# Altium PCB MAIN_BOARD.PcbDoc (part 1 of 4) (continued)
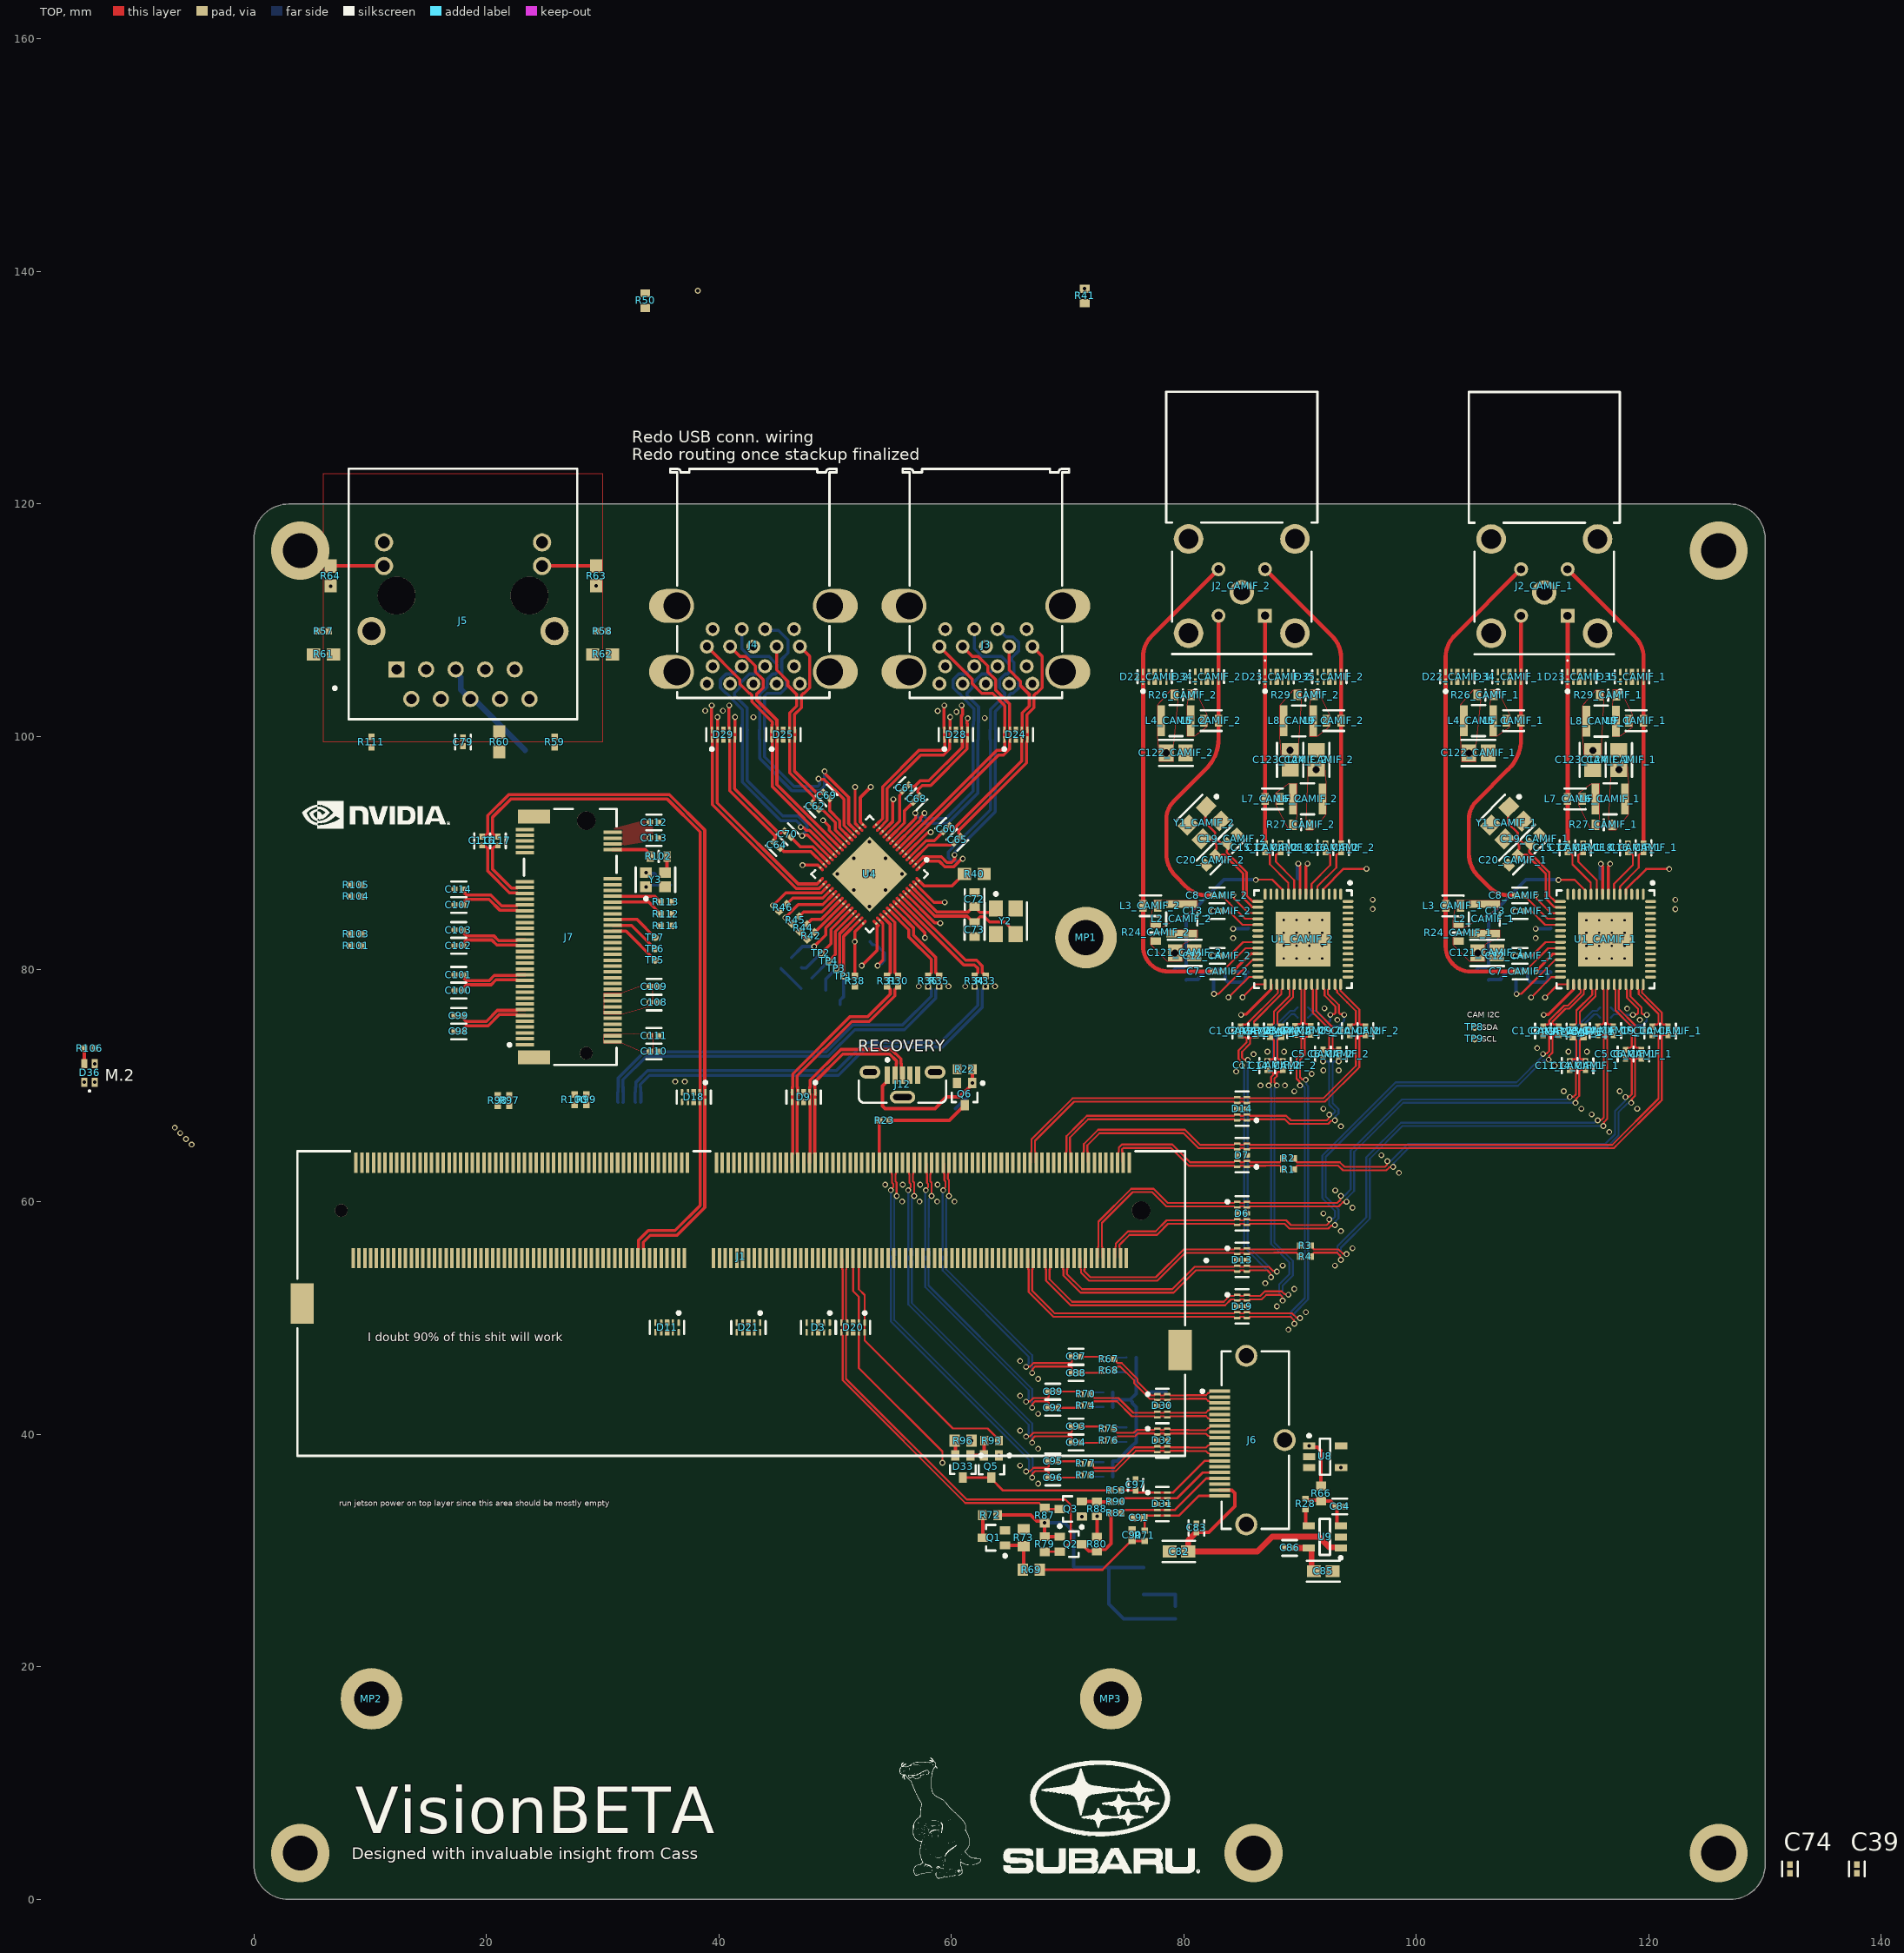
[diagram p0: TOP view]
## Components (designator, comment, footprint, x,y, rotation, side; value= is the part's Value field where it differs from the comment)
C1_CAMIF_1 "C1005X7R1H104K050BB" FP-C1005-050-0_05-IPC_C 110.894,74.689 r90 top (schematic designator C1)
C1_CAMIF_2 "C1005X7R1H104K050BB" FP-C1005-050-0_05-IPC_C 84.87,74.697 r90 top (schematic designator C1)
C2_CAMIF_1 "C1005X7R1H104K050BB" FP-C1005-050-0_05-IPC_C 112.244,74.689 r90 top (schematic designator C2)
C2_CAMIF_2 "C1005X7R1H104K050BB" FP-C1005-050-0_05-IPC_C 86.22,74.697 r90 top (schematic designator C2)
C3_CAMIF_1 "C1005X7R1H104K050BB" FP-C1005-050-0_05-IPC_C 115.594,74.714 r90 top (schematic designator C3)
C3_CAMIF_2 "C1005X7R1H104K050BB" FP-C1005-050-0_05-IPC_C 89.57,74.722 r90 top (schematic designator C3)
C4_CAMIF_1 "C1005X7R1H104K050BB" FP-C1005-050-0_05-IPC_C 116.944,74.714 r90 top (schematic designator C4)
C4_CAMIF_2 "C1005X7R1H104K050BB" FP-C1005-050-0_05-IPC_C 90.92,74.722 r90 top (schematic designator C4)
C5_CAMIF_1 "C1005X7R1H104K050BB" FP-C1005-050-0_05-IPC_C 117.994,72.695 r90 top (schematic designator C5)
C5_CAMIF_2 "C1005X7R1H104K050BB" FP-C1005-050-0_05-IPC_C 91.97,72.703 r90 top (schematic designator C5)
C6_CAMIF_1 "C1005X7R1H104K050BB" FP-C1005-050-0_05-IPC_C 119.344,72.695 r90 top (schematic designator C6)
C6_CAMIF_2 "C1005X7R1H104K050BB" FP-C1005-050-0_05-IPC_C 93.32,72.703 r90 top (schematic designator C6)
C7_CAMIF_1 "C1005X7R1H104K050BB" FP-C1005-050-0_05-IPC_C 108.927,79.792 r180 top (schematic designator C7)
C7_CAMIF_2 "C1005X7R1H104K050BB" FP-C1005-050-0_05-IPC_C 82.903,79.8 r180 top (schematic designator C7)
C8_CAMIF_1 "C1005X7R1H104K050BB" FP-C1005-050-0_05-IPC_C 108.877,86.342 r180 top (schematic designator C8)
C8_CAMIF_2 "C1005X7R1H104K050BB" FP-C1005-050-0_05-IPC_C 82.853,86.35 r180 top (schematic designator C8)
C9_CAMIF_1 "C1005X7R1H104K050BB" FP-C1005-050-0_05-IPC_C 120.294,74.689 r90 top (schematic designator C9)
C9_CAMIF_2 "C1005X7R1H104K050BB" FP-C1005-050-0_05-IPC_C 94.27,74.697 r90 top (schematic designator C9)
C10_CAMIF_1 "C1005X7R1H104K050BB" FP-C1005-050-0_05-IPC_C 121.644,74.689 r90 top (schematic designator C10)
C10_CAMIF_2 "C1005X7R1H104K050BB" FP-C1005-050-0_05-IPC_C 95.62,74.697 r90 top (schematic designator C10)
C11_CAMIF_1 "C1005X7R1H104K050BB" FP-C1005-050-0_05-IPC_C 113.194,71.704 r90 top (schematic designator C11)
C11_CAMIF_2 "C1005X7R1H104K050BB" FP-C1005-050-0_05-IPC_C 87.17,71.712 r90 top (schematic designator C11)
C12_CAMIF_1 "C1005X7R1H104K050BB" FP-C1005-050-0_05-IPC_C 108.902,81.142 r180 top (schematic designator C12)
C12_CAMIF_2 "C1005X7R1H104K050BB" FP-C1005-050-0_05-IPC_C 82.878,81.15 r180 top (schematic designator C12)
C13_CAMIF_1 "C1005X7R1H104K050BB" FP-C1005-050-0_05-IPC_C 108.902,84.992 r180 top (schematic designator C13)
C13_CAMIF_2 "C1005X7R1H104K050BB" FP-C1005-050-0_05-IPC_C 82.878,85 r180 top (schematic designator C13)
C14_CAMIF_1 "C1005X7R1H104K050BB" FP-C1005-050-0_05-IPC_C 114.544,71.695 r90 top (schematic designator C14)
C14_CAMIF_2 "C1005X7R1H104K050BB" FP-C1005-050-0_05-IPC_C 88.52,71.703 r90 top (schematic designator C14)
C15_CAMIF_1 "C1005X7R1H104K050BB" FP-C1005-050-0_05-IPC_C 113.008,90.439 r90 top (schematic designator C15)
C15_CAMIF_2 "C1005X7R1H104K050BB" FP-C1005-050-0_05-IPC_C 86.983,90.447 r90 top (schematic designator C15)
C16_CAMIF_1 "C1005X7R1H104K050BB" FP-C1005-050-0_05-IPC_C 119.544,90.439 r90 top (schematic designator C16)
C16_CAMIF_2 "C1005X7R1H104K050BB" FP-C1005-050-0_05-IPC_C 93.52,90.447 r90 top (schematic designator C16)
C17_CAMIF_1 "C1005X7R1H104K050BB" FP-C1005-050-0_05-IPC_C 114.351,90.439 r90 top (schematic designator C17)
C17_CAMIF_2 "C1005X7R1H104K050BB" FP-C1005-050-0_05-IPC_C 88.326,90.447 r90 top (schematic designator C17)
C18_CAMIF_1 "C1005X7R1H104K050BB" FP-C1005-050-0_05-IPC_C 118.201,90.439 r90 top (schematic designator C18)
C18_CAMIF_2 "C1005X7R1H104K050BB" FP-C1005-050-0_05-IPC_C 92.177,90.447 r90 top (schematic designator C18)
C19_CAMIF_1 "C0603C300J5GACTU" FP-C0603C-CF-MFG 110.194,91.192 r45 top value="30 pF" (schematic designator C19)
C19_CAMIF_2 "C0603C300J5GACTU" FP-C0603C-CF-MFG 84.17,91.2 r45 top value="30 pF" (schematic designator C19)
C20_CAMIF_1 "C0603C300J5GACTU" FP-C0603C-CF-MFG 108.344,89.367 r225 top value="30 pF" (schematic designator C20)
C20_CAMIF_2 "C0603C300J5GACTU" FP-C0603C-CF-MFG 82.32,89.375 r225 top value="30 pF" (schematic designator C20)
C21_CAMIF_1 "CL05A106MP5NUNC" FP-CL05A106MP5NUNC-MFG 115.394,87.767 r180 bottom value=10uF (schematic designator C21)
C21_CAMIF_2 "CL05A106MP5NUNC" FP-CL05A106MP5NUNC-MFG 89.37,87.775 r180 bottom value=10uF (schematic designator C21)
C22_CAMIF_1 "C1005X7R1H104K050BB" FP-C1005-050-0_05-IPC_C 115.394,89.067 r0 bottom (schematic designator C22)
C22_CAMIF_2 "C1005X7R1H104K050BB" FP-C1005-050-0_05-IPC_C 89.37,89.075 r0 bottom (schematic designator C22)
C23_CAMIF_1 "CL05A106MP5NUNC" FP-CL05A106MP5NUNC-MFG 111.569,83.967 r90 bottom value=10uF (schematic designator C23)
C23_CAMIF_2 "CL05A106MP5NUNC" FP-CL05A106MP5NUNC-MFG 85.545,83.975 r90 bottom value=10uF (schematic designator C23)
C24_CAMIF_1 "C1005X7R1H104K050BB" FP-C1005-050-0_05-IPC_C 110.269,83.967 r270 bottom (schematic designator C24)
C24_CAMIF_2 "C1005X7R1H104K050BB" FP-C1005-050-0_05-IPC_C 84.245,83.975 r270 bottom (schematic designator C24)
C25_CAMIF_1 "CL05A106MP5NUNC" FP-CL05A106MP5NUNC-MFG 120.969,84.667 r270 bottom value=10uF (schematic designator C25)
C25_CAMIF_2 "CL05A106MP5NUNC" FP-CL05A106MP5NUNC-MFG 94.945,84.675 r270 bottom value=10uF (schematic designator C25)
C26_CAMIF_1 "C1005X7R1H104K050BB" FP-C1005-050-0_05-IPC_C 122.269,84.667 r90 bottom (schematic designator C26)
C26_CAMIF_2 "C1005X7R1H104K050BB" FP-C1005-050-0_05-IPC_C 96.245,84.675 r90 bottom (schematic designator C26)
C27_CAMIF_1 "CL05A106MP5NUNC" FP-CL05A106MP5NUNC-MFG 120.969,86.442 r90 bottom value=10uF (schematic designator C27)
C27_CAMIF_2 "CL05A106MP5NUNC" FP-CL05A106MP5NUNC-MFG 94.945,86.45 r90 bottom value=10uF (schematic designator C27)
C28_CAMIF_1 "C1005X7R1H104K050BB" FP-C1005-050-0_05-IPC_C 122.269,86.442 r270 bottom (schematic designator C28)
C28_CAMIF_2 "C1005X7R1H104K050BB" FP-C1005-050-0_05-IPC_C 96.245,86.45 r270 bottom (schematic designator C28)
C29_CAMIF_1 "CL05A106MP5NUNC" FP-CL05A106MP5NUNC-MFG 117.219,87.767 r0 bottom value=10uF (schematic designator C29)
C29_CAMIF_2 "CL05A106MP5NUNC" FP-CL05A106MP5NUNC-MFG 91.195,87.775 r0 bottom value=10uF (schematic designator C29)
C30_CAMIF_1 "C0402C103M5RACTU" FP-C0402-BB-MFG 117.219,89.067 r180 bottom value="10,000 pF" (schematic designator C30)
C30_CAMIF_2 "C0402C103M5RACTU" FP-C0402-BB-MFG 91.195,89.075 r180 bottom value="10,000 pF" (schematic designator C30)
C31_CAMIF_1 "CL05A106MP5NUNC" FP-CL05A106MP5NUNC-MFG 111.544,82.167 r270 bottom value=10uF (schematic designator C31)
C31_CAMIF_2 "CL05A106MP5NUNC" FP-CL05A106MP5NUNC-MFG 85.52,82.175 r270 bottom value=10uF (schematic designator C31)
C32_CAMIF_1 "C0402C103M5RACTU" FP-C0402-BB-MFG 110.269,82.167 r90 bottom value="10,000 pF" (schematic designator C32)
C32_CAMIF_2 "C0402C103M5RACTU" FP-C0402-BB-MFG 84.245,82.175 r90 bottom value="10,000 pF" (schematic designator C32)
C33_CAMIF_1 "CL05A106MP5NUNC" FP-CL05A106MP5NUNC-MFG 111.544,80.217 r90 bottom value=10uF (schematic designator C33)
C33_CAMIF_2 "CL05A106MP5NUNC" FP-CL05A106MP5NUNC-MFG 85.52,80.225 r90 bottom value=10uF (schematic designator C33)
C34_CAMIF_1 "C0402C103M5RACTU" FP-C0402-BB-MFG 110.269,80.217 r270 bottom value="10,000 pF" (schematic designator C34)
C34_CAMIF_2 "C0402C103M5RACTU" FP-C0402-BB-MFG 84.245,80.225 r270 bottom value="10,000 pF" (schematic designator C34)
C35_CAMIF_1 "CL05A106MP5NUNC" FP-CL05A106MP5NUNC-MFG 112.194,75.68 r270 bottom value=10uF (schematic designator C35)
C35_CAMIF_2 "CL05A106MP5NUNC" FP-CL05A106MP5NUNC-MFG 86.17,75.687 r270 bottom value=10uF (schematic designator C35)
C36_CAMIF_1 "C0402C103M5RACTU" FP-C0402-BB-MFG 110.944,75.667 r90 bottom value="10,000 pF" (schematic designator C36)
C36_CAMIF_2 "C0402C103M5RACTU" FP-C0402-BB-MFG 84.92,75.675 r90 bottom value="10,000 pF" (schematic designator C36)
C37 "GRM188R60J106ME47D" FP-GRM188-0_1-e0_2_0_55-IPC_A 67.983,31.574 r270 bottom
C38 "C1005X7R1H104K050BB" FP-C1005-050-0_05-IPC_C 79.275,26.592 r270 bottom
C39 "C1005X7R1H104K050BB" FP-C1005-050-0_05-IPC_C 137.891,2.624 r90 top
C40_CAMIF_1 "GRM188R60J106ME47D" FP-GRM188-0_1-e0_2_0_55-IPC_A 120.194,136.092 r0 bottom (schematic designator C40)
C40_CAMIF_2 "GRM188R60J106ME47D" FP-GRM188-0_1-e0_2_0_55-IPC_A 90.5,132.5 r0 bottom (schematic designator C40)
C41_CAMIF_1 "GRM188R60J106ME47D" FP-GRM188-0_1-e0_2_0_55-IPC_A 122.844,144.067 r180 bottom (schematic designator C41)
C41_CAMIF_2 "GRM188R60J106ME47D" FP-GRM188-0_1-e0_2_0_55-IPC_A 94.82,140.075 r180 bottom (schematic designator C41)
C42_CAMIF_1 "C1005X7R1H104K050BB" FP-C1005-050-0_05-IPC_C 120.169,145.067 r90 bottom (schematic designator C42)
C42_CAMIF_2 "C1005X7R1H104K050BB" FP-C1005-050-0_05-IPC_C 92.145,141.075 r90 bottom (schematic designator C42)
C43_CAMIF_1 "C1005X7R1H104K050BB" FP-C1005-050-0_05-IPC_C 114.994,152.567 r0 bottom (schematic designator C43)
C43_CAMIF_2 "C1005X7R1H104K050BB" FP-C1005-050-0_05-IPC_C 86.97,148.575 r0 bottom (schematic designator C43)
C44 "C1005X7R1H104K050BB" FP-C1005-050-0_05-IPC_C 57.966,91.518 r45 bottom
C45 "C1005X7R1H104K050BB" FP-C1005-050-0_05-IPC_C 54.758,94.343 r45 bottom
C46 "C1005X7R1H104K050BB" FP-C1005-050-0_05-IPC_C 53.075,95.299 r90 bottom
C47 "C1005X7R1H104K050BB" FP-C1005-050-0_05-IPC_C 49.234,92.543 r135 bottom
C48 "C1005X7R1H104K050BB" FP-C1005-050-0_05-IPC_C 47.459,88.693 r135 bottom
C49 "T520B337M2R5ATE045" KEMT-520-B-2_M 63.025,136.702 r180 bottom
C50 "C1005X7R1H104K050BB" FP-C1005-050-0_05-IPC_C 45.975,84.693 r225 bottom
C51 "C1005X7R1H104K050BB" FP-C1005-050-0_05-IPC_C 52.3,80.677 r270 bottom
C52 "C1005X7R1H104K050BB" FP-C1005-050-0_05-IPC_C 65.375,134.202 r180 bottom
C53 "C1005X7R1H104K050BB" FP-C1005-050-0_05-IPC_C 63.3,134.202 r0 bottom
C54 "C1005X7R1H104K050BB" FP-C1005-050-0_05-IPC_C 57.466,82.961 r315 bottom
C55 "C1005X7R1H104K050BB" FP-C1005-050-0_05-IPC_C 51.725,95.299 r90 bottom
C56 "C1005X7R1H104K050BB" FP-C1005-050-0_05-IPC_C 44.926,85.752 r225 bottom
C57 "C1005X7R1H104K050BB" FP-C1005-050-0_05-IPC_C 53.65,80.677 r270 bottom
C58 "C1005X7R1H104K050BB" FP-C1005-050-0_05-IPC_C 59.18,86.011 r315 bottom
C59 "GRM188R60J106ME47D" FP-GRM188-0_1-e0_2_0_55-IPC_A 71.975,134.677 r270 bottom
C60 "C1005X7R1H104K050BB" FP-C1005-050-0_05-IPC_C 59.559,92.074 r45 top
C61 "C1005X7R1H104K050BB" FP-C1005-050-0_05-IPC_C 56.047,95.586 r45 top
C62 "C1005X7R1H104K050BB" FP-C1005-050-0_05-IPC_C 48.319,93.996 r135 top
C63 "T520B337M2R5ATE045" KEMT-520-B-2_M 44.85,136.302 r180 bottom
C64 "C1005X7R1H104K050BB" FP-C1005-050-0_05-IPC_C 44.978,90.661 r135 top
C65 "C1005X7R1H104K050BB" FP-C1005-050-0_05-IPC_C 60.509,91.124 r45 top
C66 "C1005X7R1H104K050BB" FP-C1005-050-0_05-IPC_C 47.2,133.802 r180 bottom
C67 "C1005X7R1H104K050BB" FP-C1005-050-0_05-IPC_C 45.15,133.802 r0 bottom
C68 "C1005X7R1H104K050BB" FP-C1005-050-0_05-IPC_C 56.997,94.636 r45 top
C69 "C1005X7R1H104K050BB" FP-C1005-050-0_05-IPC_C 49.269,94.946 r135 top
C70 "C1005X7R1H104K050BB" FP-C1005-050-0_05-IPC_C 45.928,91.611 r135 top
C71 "GRM188R60J106ME47D" FP-GRM188-0_1-e0_2_0_55-IPC_A 35.05,139.502 r90 bottom
C72 "C0603C300J5GACTU" FP-C0603C-CF-MFG 62,86 r90 top value="30 pF"
C73 "C0603C300J5GACTU" FP-C0603C-CF-MFG 62,83.4 r270 top value="30 pF"
C74 "C1005X7R1H104K050BB" FP-C1005-050-0_05-IPC_C 132.141,2.624 r90 top
C77 "GRM188R60J106ME47D" FP-GRM188-0_1-e0_2_0_55-IPC_A 28.77,136.067 r270 bottom
C78 "C1005X7R1H104K050BB" FP-C1005-050-0_05-IPC_C 21.867,132.85 r180 bottom
C79 "C1005X7R1H104K050BB" FP-C1005-050-0_05-IPC_C 18,99.542 r270 top
C80 "C1005X7R1H104K050BB" FP-C1005-050-0_05-IPC_C 23.35,98.45 r90 bottom
C81 "C1005X7R1H104K050BB" FP-C1005-050-0_05-IPC_C 29.45,112.608 r90 bottom
C82 "GRM188R60J106ME47D" FP-GRM188-0_1-e0_2_0_55-IPC_A 79.573,29.925 r180 top
C83 "C1005X7R1H104K050BB" FP-C1005-050-0_05-IPC_C 81.075,31.95 r270 top
C84 "C1005X7R1H104K050BB" FP-C1005-050-0_05-IPC_C 93.425,33.8 r180 top
C85 "GRM188R60J106ME47D" FP-GRM188-0_1-e0_2_0_55-IPC_A 91.995,28.225 r0 top
C86 "C1005X7R1H104K050BB" FP-C1005-050-0_05-IPC_C 89.1,30.225 r0 top
C87 "C1005X7R1H104K050BB" FP-C1005-050-0_05-IPC_C 70.733,46.679 r0 top
C88 "C1005X7R1H104K050BB" FP-C1005-050-0_05-IPC_C 70.733,45.279 r0 top
C89 "C1005X7R1H104K050BB" FP-C1005-050-0_05-IPC_C 68.733,43.679 r0 top
C90 "C0402C221K5RAC7867" CAPC1005X60X30NL05T10 75.55,31.325 r270 top
C91 "C0402C221K5RAC7867" CAPC1005X60X30NL05T10 76.125,32.825 r0 top
C92 "C1005X7R1H104K050BB" FP-C1005-050-0_05-IPC_C 68.733,42.279 r0 top
C93 "C1005X7R1H104K050BB" FP-C1005-050-0_05-IPC_C 70.733,40.679 r0 top
C94 "C1005X7R1H104K050BB" FP-C1005-050-0_05-IPC_C 70.733,39.279 r0 top
C95 "C1005X7R1H104K050BB" FP-C1005-050-0_05-IPC_C 68.733,37.679 r0 top
C96 "C1005X7R1H104K050BB" FP-C1005-050-0_05-IPC_C 68.733,36.279 r0 top
C97 "GRM1555C1H120GA01D" FP-GRM155-0_05-MFG 75.85,35.65 r90 top
C98 "C1005X7R1A224K050BB" FP-C1005-050-0_05-IPC_C 17.635,74.646 r180 top
C99 "C1005X7R1A224K050BB" FP-C1005-050-0_05-IPC_C 17.633,75.998 r180 top
C100 "C1005X7R1A224K050BB" FP-C1005-050-0_05-IPC_C 17.633,78.17 r180 top
C101 "C1005X7R1A224K050BB" FP-C1005-050-0_05-IPC_C 17.633,79.52 r180 top
C102 "C1005X7R1A224K050BB" FP-C1005-050-0_05-IPC_C 17.633,82.02 r180 top
C103 "C1005X7R1A224K050BB" FP-C1005-050-0_05-IPC_C 17.633,83.37 r180 top
C104 "GRM188R60J106ME47D" FP-GRM188-0_1-e0_2_0_55-IPC_A 33.253,74.27 r180 bottom
C105 "GRM188R60J106ME47D" FP-GRM188-0_1-e0_2_0_55-IPC_A 33.26,77.131 r180 bottom
C106 "GRM188R60J106ME47D" FP-GRM188-0_1-e0_2_0_55-IPC_A 33.257,91.275 r180 bottom
C107 "C1005X7R1A224K050BB" FP-C1005-050-0_05-IPC_C 17.633,85.524 r180 top
C108 "C1005X7R1H104K050BB" FP-C1005-050-0_05-IPC_C 34.428,77.131 r180 top
C109 "C1005X7R1H104K050BB" FP-C1005-050-0_05-IPC_C 34.437,78.481 r180 top
C110 "C1005X7R1H104K050BB" FP-C1005-050-0_05-IPC_C 34.425,72.92 r180 top
C111 "C1005X7R1H104K050BB" FP-C1005-050-0_05-IPC_C 34.422,74.27 r180 top
C112 "C1005X7R1H104K050BB" FP-C1005-050-0_05-IPC_C 34.425,92.625 r180 top
C113 "C1005X7R1H104K050BB" FP-C1005-050-0_05-IPC_C 34.425,91.275 r180 top
C114 "C1005X7R1A224K050BB" FP-C1005-050-0_05-IPC_C 17.633,86.874 r180 top
C115 "C1005X7R1H104K050BB" FP-C1005-050-0_05-IPC_C 33.371,88.313 r0 bottom
C116 "C1005X7R1A224K050BB" FP-C1005-050-0_05-IPC_C 19.65,91.033 r90 top
C117 "C1005X7R1A224K050BB" FP-C1005-050-0_05-IPC_C 21,91.033 r90 top
C118 "T520B337M2R5ATE045" KEMT-520-B-2_M 60.35,66.525 r270 bottom
C119 "C1005X7R1H104K050BB" FP-C1005-050-0_05-IPC_C 61.8,70.517 r270 bottom
C121_CAMIF_1 "GRM21BR61E226ME44L" FP-GRM21B-0_2-e0_2_0_7-IPC_B 106.094,81.392 r0 top (schematic designator C121)
C121_CAMIF_2 "GRM21BR61E226ME44L" FP-GRM21B-0_2-e0_2_0_7-IPC_B 80.07,81.4 r0 top (schematic designator C121)
C122_CAMIF_1 "GRM21BR61E226ME44L" FP-GRM21B-0_2-e0_2_0_7-IPC_B 105.344,98.592 r0 top (schematic designator C122)
C122_CAMIF_2 "GRM21BR61E226ME44L" FP-GRM21B-0_2-e0_2_0_7-IPC_B 79.32,98.6 r0 top (schematic designator C122)
C123_CAMIF_1 "GRM21BR61E226ME44L" FP-GRM21B-0_2-e0_2_0_7-IPC_B 115.167,97.991 r270 top (schematic designator C123)
C123_CAMIF_2 "GRM21BR61E226ME44L" FP-GRM21B-0_2-e0_2_0_7-IPC_B 89.143,97.998 r270 top (schematic designator C123)
C124_CAMIF_1 "GRM21BR61E226ME44L" FP-GRM21B-0_2-e0_2_0_7-IPC_B 117.417,97.991 r90 top (schematic designator C124)
C124_CAMIF_2 "GRM21BR61E226ME44L" FP-GRM21B-0_2-e0_2_0_7-IPC_B 91.393,97.998 r90 top (schematic designator C124)
C125 "C1005X7R1H104K050BB" FP-C1005-050-0_05-IPC_C 6.6,112.6 r90 bottom
D1 "ESD204DQAR or PUSB3AB4Z" FP-DQA0010A-MFG 51.7,57.85 r90 bottom value=0.55pF
D2 "ESD204DQAR or PUSB3AB4Z" FP-DQA0010A-MFG -6.165,42.1 r90 bottom value=0.55pF
D3 "ESD204DQAR or PUSB3AB4Z" FP-DQA0010A-MFG 48.55,49.183 r270 top value=0.55pF
D4 "ESD204DQAR or PUSB3AB4Z" FP-DQA0010A-MFG -9.415,42.1 r90 bottom value=0.55pF
D5 "ESD204DQAR or PUSB3AB4Z" FP-DQA0010A-MFG 22.525,90 r270 bottom value=0.55pF
D6 "ESD204DQAR" FP-DQA0010A-MFG 85,59 r0 top value=0.55pF
D7 "ESD204DQAR" FP-DQA0010A-MFG 85,64 r180 top value=0.55pF
D8 "ESD204DQAR" FP-DQA0010A-MFG 58.65,55.154 r90 bottom value=0.55pF
D9 "ESD204DQAR or PUSB3AB4Z" FP-DQA0010A-MFG 47.3,69 r270 top value=0.55pF
D10 "ESD204DQAR or PUSB3AB4Z" FP-DQA0010A-MFG 36.8,63.35 r180 bottom value=0.55pF
D11 "ESD204DQAR or PUSB3AB4Z" FP-DQA0010A-MFG 35.55,49.183 r270 top value=0.55pF
D12 "ESD204DQAR or PUSB3AB4Z" FP-DQA0010A-MFG 25.525,90 r90 bottom value=0.55pF
D13 "ESD204DQAR" FP-DQA0010A-MFG 85,55 r0 top value=0.55pF
D14 "ESD204DQAR" FP-DQA0010A-MFG 85,68 r180 top value=0.55pF
D15 "ESD204DQAR" FP-DQA0010A-MFG 55.7,55.154 r90 bottom value=0.55pF
D16 "ESD204DQAR or PUSB3AB4Z" FP-DQA0010A-MFG 32.3,69 r90 bottom value=0.55pF
D17 "ESD204DQAR or PUSB3AB4Z" FP-DQA0010A-MFG 34.8,55.154 r90 bottom value=0.55pF
D18 "ESD204DQAR or PUSB3AB4Z" FP-DQA0010A-MFG 37.846,69 r270 top value=0.55pF
D19 "ESD204DQAR" FP-DQA0010A-MFG 85,51 r0 top value=0.55pF
D20 "ESD204DQAR" FP-DQA0010A-MFG 51.55,49.183 r270 top value=0.55pF
D21 "ESD204DQAR or PUSB3AB4Z" FP-DQA0010A-MFG 42.55,49.183 r270 top value=0.55pF
D22_CAMIF_1 "ESD204DQAR" FP-DQA0010A-MFG 103.519,105.142 r90 top value=0.55pF (schematic designator D22)
D22_CAMIF_2 "ESD204DQAR" FP-DQA0010A-MFG 77.495,105.15 r90 top value=0.55pF (schematic designator D22)
D23_CAMIF_1 "ESD204DQAR" FP-DQA0010A-MFG 114.008,105.142 r90 top value=0.55pF (schematic designator D23)
D23_CAMIF_2 "ESD204DQAR" FP-DQA0010A-MFG 87.983,105.15 r90 top value=0.55pF (schematic designator D23)
D24 "ESD204DQAR or PUSB3AB4Z" FP-DQA0010A-MFG 65.55,100.177 r90 top value=0.55pF
D25 "ESD204DQAR or PUSB3AB4Z" FP-DQA0010A-MFG 45.55,100.177 r90 top value=0.55pF
D26 "ESD204DQAR or PUSB3AB4Z" FP-DQA0010A-MFG 62.825,100.177 r90 bottom value=0.55pF
D27 "ESD204DQAR or PUSB3AB4Z" FP-DQA0010A-MFG 42.975,100.177 r90 bottom value=0.55pF
D28 "ESD204DQAR or PUSB3AB4Z" FP-DQA0010A-MFG 60.4,100.177 r90 top value=0.55pF
D29 "ESD204DQAR or PUSB3AB4Z" FP-DQA0010A-MFG 40.4,100.177 r90 top value=0.55pF
D30 "ESD204DQAR or PUSB3AB4Z" FP-DQA0010A-MFG 78.145,42.45 r0 top value=0.55pF
D31 "ESD204DQAR or PUSB3AB4Z" FP-DQA0010A-MFG 78.145,34 r0 top value=0.55pF
D32 "ESD204DQAR or PUSB3AB4Z" FP-DQA0010A-MFG 78.145,39.475 r0 top value=0.55pF
D33 "BAT54CWT1G" ONSC-SOT-323-3-419-04_V 60.996,37.229 r270 top
D34_CAMIF_1 "ESD204DQAR" FP-DQA0010A-MFG 108.008,105.15 r90 top value=0.55pF (schematic designator D34)
D34_CAMIF_2 "ESD204DQAR" FP-DQA0010A-MFG 81.983,105.158 r90 top value=0.55pF (schematic designator D34)
D35_CAMIF_1 "ESD204DQAR" FP-DQA0010A-MFG 118.544,105.142 r90 top value=0.55pF (schematic designator D35)
D35_CAMIF_2 "ESD204DQAR" FP-DQA0010A-MFG 92.52,105.15 r90 top value=0.55pF (schematic designator D35)
D36 "150066RG54050" WL-SBCD_0606 -14.125,71.075 r180 top
FB1 "BLM15PX601SN1D" FP-BLM15-0_05-MFG 75.488,46.6 r180 bottom
FB2 "BLM15PX601SN1D" FP-BLM15-0_05-MFG 75.488,45.35 r180 bottom
FB3 "BLM15PX601SN1D" FP-BLM15-0_05-MFG 73.488,43.6 r180 bottom
FB4 "BLM15PX601SN1D" FP-BLM15-0_05-MFG 73.488,42.35 r180 bottom
FB5 "BLM15PX601SN1D" FP-BLM15-0_05-MFG 75.488,40.6 r180 bottom
FB6 "BLM15PX601SN1D" FP-BLM15-0_05-MFG 75.488,39.35 r180 bottom
FB7 "BLM15PX601SN1D" FP-BLM15-0_05-MFG 73.488,37.6 r180 bottom
FB8 "BLM15PX601SN1D" FP-BLM15-0_05-MFG 73.488,36.35 r180 bottom
J1 "2309413-1" FP-2309413-1-MFG 41.925,51.25 r0 top locked
J2_CAMIF_1 "FM4-NZRP-PCB-1" FM4-NZRP-PCB-1-Footprint-1 111.008,112.392 r90 top (schematic designator J2)
J2_CAMIF_2 "FM4-NZRP-PCB-1" FM4-NZRP-PCB-1-Footprint-1 84.983,112.4 r90 top (schematic designator J2)
J3 "692141030100" 692141030100 62.975,113.177 r180 top
J4 "692141030100" 692141030100 42.975,113.177 r180 top
J5 "ARJM11C7-502-AB-ER2-T" FP-ARJM11C7-502-AB-ER2-T-MFG 18,112.275 r180 top
J6 "47659-1102" FP-47659-1102-MFG 86.15,39.5 r90 top locked
J7 "1-2199230-6" FP-1-2199230-6-MFG 27.225,82.77 r90 top
J12 "105133-0001" MOLX-105133-0001_V 55.8,70.075 r0 top
L2_CAMIF_1 "ADL32VHC-220M" FP-1210POC-MFG 105.844,84.317 r90 top value=22uH (schematic designator L2)
L2_CAMIF_2 "ADL32VHC-220M" FP-1210POC-MFG 79.82,84.325 r90 top value=22uH (schematic designator L2)
L3_CAMIF_1 "PFL1609-561MEW" FP-PFL1609-MFG 103.154,85.442 r180 top value=0.56uH (schematic designator L3)
L3_CAMIF_2 "PFL1609-561MEW" FP-PFL1609-MFG 77.13,85.45 r180 top value=0.56uH (schematic designator L3)
L4_CAMIF_1 "ADL32VHC-220M" FP-1210POC-MFG 105.348,101.367 r0 top value=22uH (schematic designator L4)
L4_CAMIF_2 "ADL32VHC-220M" FP-1210POC-MFG 79.323,101.375 r0 top value=22uH (schematic designator L4)
L5_CAMIF_1 "PFL1609-561MEW" FP-PFL1609-MFG 108.373,101.367 r0 top value=0.56uH (schematic designator L5)
L5_CAMIF_2 "PFL1609-561MEW" FP-PFL1609-MFG 82.348,101.375 r0 top value=0.56uH (schematic designator L5)
L6_CAMIF_1 "ADL32VHC-220M" FP-1210POC-MFG 116.668,94.642 r180 top value=22uH (schematic designator L6)
L6_CAMIF_2 "ADL32VHC-220M" FP-1210POC-MFG 90.643,94.65 r180 top value=22uH (schematic designator L6)
L7_CAMIF_1 "PFL1609-561MEW" FP-PFL1609-MFG 113.643,94.642 r180 top value=0.56uH (schematic designator L7)
L7_CAMIF_2 "PFL1609-561MEW" FP-PFL1609-MFG 87.618,94.65 r180 top value=0.56uH (schematic designator L7)
L8_CAMIF_1 "ADL32VHC-220M" FP-1210POC-MFG 115.894,101.342 r0 top value=22uH (schematic designator L8)
L8_CAMIF_2 "ADL32VHC-220M" FP-1210POC-MFG 89.87,101.35 r0 top value=22uH (schematic designator L8)
L9_CAMIF_1 "PFL1609-561MEW" FP-PFL1609-MFG 118.909,101.367 r0 top value=0.56uH (schematic designator L9)
L9_CAMIF_2 "PFL1609-561MEW" FP-PFL1609-MFG 92.885,101.375 r0 top value=0.56uH (schematic designator L9)
MP1 "9774025243R" 9774025243 71.582,82.718 r0 top
MP2 "9774025243R" 9774025243 10.125,17.25 r180 top
MP3 "9774025243R" 9774025243 73.725,17.25 r180 top
Q1 "BSS138W-7-F" DIOD-SOT323-3_V 63.675,31.1 r180 top
Q2 "BSS138W-7-F" DIOD-SOT323-3_V 70.275,30.55 r0 top
Q3 "BSS138W-7-F" DIOD-SOT323-3_V 70.275,33.575 r180 top
Q4 "BSS138W-7-F" DIOD-SOT323-3_V 76.212,42.975 r180 bottom
Q5 "BSS138W-7-F" DIOD-SOT323-3_V 63.446,37.229 r270 top
Q6 "BSS138W-7-F" DIOD-SOT323-3_V 61.15,69.25 r270 top
R1 "0402 JUMPER 0 OHM" RESC1005X40X25NL05T05 89,62.775 r0 top
R2 "0402 JUMPER 0 OHM" RESC1005X40X25NL05T05 89,63.728 r0 top
R3 "0402 JUMPER 0 OHM" RESC1005X40X25NL05T05 90.45,56.235 r0 top
R4 "0402 JUMPER 0 OHM" RESC1005X40X25NL05T05 90.45,55.283 r0 top
R5_CAMIF_1 "0402 JUMPER 0 OHM" RESC1005X40X25NL05T05 113.444,74.617 r270 top (schematic designator R5)
R5_CAMIF_2 "0402 JUMPER 0 OHM" RESC1005X40X25NL05T05 87.42,74.625 r270 top (schematic designator R5)
R6_CAMIF_1 "0402 JUMPER 0 OHM" RESC1005X40X25NL05T05 116.269,76.717 r180 bottom (schematic designator R6)
R6_CAMIF_2 "0402 JUMPER 0 OHM" RESC1005X40X25NL05T05 90.245,76.725 r180 bottom (schematic designator R6)
R7_CAMIF_1 "0402 JUMPER 0 OHM" RESC1005X40X25NL05T05 114.394,74.617 r270 top (schematic designator R7)
R7_CAMIF_2 "0402 JUMPER 0 OHM" RESC1005X40X25NL05T05 88.37,74.625 r270 top (schematic designator R7)
R8_CAMIF_1 "0402 JUMPER 0 OHM" RESC1005X40X25NL05T05 116.269,75.825 r180 bottom (schematic designator R8)
R8_CAMIF_2 "0402 JUMPER 0 OHM" RESC1005X40X25NL05T05 90.245,75.833 r180 bottom (schematic designator R8)
R9_CAMIF_1 "ERJ3EKF1002V" RESC1609X55X30LL15T15 106.219,79.717 r270 bottom (schematic designator R9)
R9_CAMIF_2 "ERJ3EKF1002V" RESC1609X55X30LL15T15 80.195,79.725 r270 bottom (schematic designator R9)
R10_CAMIF_1 "ERJ-3EKF49R9V" RESC1608X55X30ML15T15 108.669,81.842 r270 bottom (schematic designator R10)
R10_CAMIF_2 "ERJ-3EKF49R9V" RESC1608X55X30ML15T15 82.645,81.85 r270 bottom (schematic designator R10)
R11_CAMIF_1 "ERJ-3EKF49R9V" RESC1608X55X30ML15T15 108.669,84.342 r90 bottom (schematic designator R11)
R11_CAMIF_2 "ERJ-3EKF49R9V" RESC1608X55X30ML15T15 82.645,84.35 r90 bottom (schematic designator R11)
R12_CAMIF_1 "ERJ-3EKF8062V" RESC1608X55X30LL15T15 107.919,79.167 r180 bottom (schematic designator R12)
R12_CAMIF_2 "ERJ-3EKF8062V" RESC1608X55X30LL15T15 81.895,79.175 r180 bottom (schematic designator R12)
R13_CAMIF_1 "ERJ-3EKF8062V" RESC1608X55X30LL15T15 122.419,89.842 r0 bottom (schematic designator R13)
R13_CAMIF_2 "ERJ-3EKF8062V" RESC1608X55X30LL15T15 96.395,89.85 r0 bottom (schematic designator R13)
R14_CAMIF_1 "0402 JUMPER 0 OHM" RESC1005X40X25NL05T05 105.169,79.467 r270 bottom (schematic designator R14)
R14_CAMIF_2 "0402 JUMPER 0 OHM" RESC1005X40X25NL05T05 79.145,79.475 r270 bottom (schematic designator R14)
R15_CAMIF_1 "ERJ-3EKF2052V" RESC1608X55X30NL15T15 107.919,77.817 r0 bottom (schematic designator R15)
R15_CAMIF_2 "ERJ-3EKF2052V" RESC1608X55X30NL15T15 81.895,77.825 r0 bottom (schematic designator R15)
R16_CAMIF_1 "ERJ-3EKF2052V" RESC1608X55X30NL15T15 122.419,88.617 r180 bottom (schematic designator R16)
R16_CAMIF_2 "ERJ-3EKF2052V" RESC1608X55X30NL15T15 96.395,88.625 r180 bottom (schematic designator R16)
R17_CAMIF_1 "ERJ3EKF1002V" RESC1609X55X30LL15T15 109.869,78.217 r90 bottom (schematic designator R17)
R17_CAMIF_2 "ERJ3EKF1002V" RESC1609X55X30LL15T15 83.845,78.225 r90 bottom (schematic designator R17)
R18_CAMIF_1 "ERJ-3EKF49R9V" RESC1608X55X30ML15T15 115.019,90.667 r180 bottom (schematic designator R18)
R18_CAMIF_2 "ERJ-3EKF49R9V" RESC1608X55X30ML15T15 88.995,90.675 r180 bottom (schematic designator R18)
R19_CAMIF_1 "ERJ-3EKF49R9V" RESC1608X55X30ML15T15 117.519,90.667 r0 bottom (schematic designator R19)
R19_CAMIF_2 "ERJ-3EKF49R9V" RESC1608X55X30ML15T15 91.495,90.675 r0 bottom (schematic designator R19)
R20_CAMIF_1 "ERJ-3EKF4020V" RESC1608X55X30LL15T15 110.269,85.742 r90 bottom (schematic designator R20)
R20_CAMIF_2 "ERJ-3EKF4020V" RESC1608X55X30LL15T15 84.245,85.75 r90 bottom (schematic designator R20)
R21_CAMIF_1 "ERJ3EKF1002V" RESC1609X55X30LL15T15 111.07,78.217 r90 bottom (schematic designator R21)
R21_CAMIF_2 "ERJ3EKF1002V" RESC1609X55X30LL15T15 85.046,78.225 r90 bottom (schematic designator R21)
R22 "ERJ3EKF1002V" RESC1609X55X30LL15T15 61.15,71.4 r0 top
R23 "0402 JUMPER 0 OHM" RESC1005X40X25NL05T05 54.25,67 r180 top
R24_CAMIF_1 "ERJ-3EKF5101V" FP-ERJ3EK-MFG 103.619,83.142 r90 top (schematic designator R24)
R24_CAMIF_2 "ERJ-3EKF5101V" FP-ERJ3EK-MFG 77.595,83.15 r90 top (schematic designator R24)
R25 "ERJ-3EKF1200V" RESC1609X55X30ML15T15 -14.925,69.428 r90 bottom
R26_CAMIF_1 "ERJ-3EKF5101V" FP-ERJ3EK-MFG 105.943,103.579 r0 top (schematic designator R26)
R26_CAMIF_2 "ERJ-3EKF5101V" FP-ERJ3EK-MFG 79.918,103.586 r0 top (schematic designator R26)
R27_CAMIF_1 "ERJ-3EKF5101V" FP-ERJ3EK-MFG 116.118,92.417 r180 top (schematic designator R27)
R27_CAMIF_2 "ERJ-3EKF5101V" FP-ERJ3EK-MFG 90.093,92.425 r180 top (schematic designator R27)
R28 "0402 JUMPER 0 OHM" RESC1005X40X25NL05T05 90.475,34 r270 top
R29_CAMIF_1 "ERJ-3EKF5101V" FP-ERJ3EK-MFG 116.494,103.567 r0 top (schematic designator R29)
R29_CAMIF_2 "ERJ-3EKF5101V" FP-ERJ3EK-MFG 90.47,103.575 r0 top (schematic designator R29)
R30 "0402 JUMPER 0 OHM" RESC1005X40X25NL05T05 55.425,78.977 r90 top
R31 "0402 JUMPER 0 OHM" RESC1005X40X25NL05T05 54.475,78.977 r90 top
R32 "ERJ3EKF1002V" RESC1609X55X30LL15T15 45.79,80.542 r225 bottom
R33 "0402 JUMPER 0 OHM" RESC1005X40X25NL05T05 62.95,78.977 r90 top
R34 "0402 JUMPER 0 OHM" RESC1005X40X25NL05T05 62,78.977 r90 top
R35 "0402 JUMPER 0 OHM" RESC1005X40X25NL05T05 58.95,78.977 r90 top
R36 "0402 JUMPER 0 OHM" RESC1005X40X25NL05T05 58,78.977 r90 top
R37 "ERJ3EKF1002V" RESC1609X55X30LL15T15 52.35,82.377 r0 bottom
R38 "0402 JUMPER 0 OHM" RESC1005X40X25NL05T05 51.7,78.977 r270 top
R39 "ERJ3EKF1002V" RESC1609X55X30LL15T15 58.59,84.411 r315 bottom
R40 "ERJ-3EKF1202V" RESC1609X55X30ML15T15 61.975,88.177 r0 top
R41 "ERJ-3EKF1001V" RESC1608X55X30LL15T15 71.468,137.902 r90 top
R42 "0402 JUMPER 0 OHM" RESC1005X40X25NL05T05 47.929,82.864 r225 top
R43 "ERJ3EKF1002V" RESC1609X55X30LL15T15 71.475,137.877 r90 bottom
R44 "0402 JUMPER 0 OHM" RESC1005X40X25NL05T05 47.261,83.546 r225 top
R45 "0402 JUMPER 0 OHM" RESC1005X40X25NL05T05 46.586,84.221 r225 top
R46 "0402 JUMPER 0 OHM" RESC1005X40X25NL05T05 45.518,85.286 r225 top
R47 "ERJ-3EKF2003V" FP-ERJ3EK-IPC_B 49.915,76.417 r45 bottom
R48 "ERJ3EKF1002V" RESC1609X55X30LL15T15 46.665,79.667 r225 bottom
R49 "ERJ-3EKF2003V" FP-ERJ3EK-IPC_B 48.665,77.667 r225 bottom
R50 "ERJ-3EKF1001V" RESC1608X55X30LL15T15 33.675,137.502 r90 top
R51 "ERJ3EKF1002V" RESC1609X55X30LL15T15 47.54,78.792 r225 bottom
R52 "ERJ3EKF1002V" RESC1609X55X30LL15T15 36.8,138.652 r270 bottom
R53 "0402 JUMPER 0 OHM" RESC1005X40X25NL05T05 74.175,35.175 r0 top
R54 "0402 JUMPER 0 OHM" RESC1005X40X25NL05T05 79.725,24.125 r180 bottom
R55 "0402 JUMPER 0 OHM" RESC1005X40X25NL05T05 79.725,25.225 r180 bottom
R57 "0402 JUMPER 0 OHM" RESC1005X40X25NL05T05 6,109.067 r0 top
R58 "0402 JUMPER 0 OHM" RESC1005X40X25NL05T05 30,109.075 r180 top
R59 "0402 JUMPER 0 OHM" RESC1005X40X25NL05T05 25.875,99.542 r90 top
R60 "0603 JUMPER" RESC1609X55X30ML15T15 21.125,99.542 r90 top
R61 "0603 JUMPER" RESC1609X55X30ML15T15 6,107.067 r0 top
R62 "0603 JUMPER" RESC1609X55X30ML15T15 30,107.075 r180 top
R63 "ERJ-3EKF1200V" RESC1609X55X30ML15T15 29.45,113.825 r270 top
R64 "ERJ-3EKF1200V" RESC1609X55X30ML15T15 6.6,113.817 r270 top
R65 "ERJ-3EKF1003V" RESC1608X55X30ML15T15 93.525,36.4 r90 bottom
R66 "ERJ3EKF1002V" RESC1609X55X30LL15T15 91.795,34.9 r90 top
R67 "0402 JUMPER 0 OHM" RESC1005X40X25NL05T05 73.55,46.479 r0 top
R68 "0402 JUMPER 0 OHM" RESC1005X40X25NL05T05 73.55,45.479 r0 top
R69 "ERJ-3EKF1003V" RESC1608X55X30ML15T15 66.875,28.35 r0 top
R70 "0402 JUMPER 0 OHM" RESC1005X40X25NL05T05 71.55,43.479 r0 top
R71 "0402 JUMPER 0 OHM" RESC1005X40X25NL05T05 76.625,31.275 r90 top
R72 "ERJ3EKF1002V" RESC1609X55X30LL15T15 63.325,33.05 r0 top
R73 "ERJ-3EKF1003V" RESC1608X55X30ML15T15 66.225,31.1 r270 top
R74 "0402 JUMPER 0 OHM" RESC1005X40X25NL05T05 71.55,42.479 r0 top
R75 "0402 JUMPER 0 OHM" RESC1005X40X25NL05T05 73.55,40.479 r0 top
R76 "0402 JUMPER 0 OHM" RESC1005X40X25NL05T05 73.55,39.479 r0 top
R77 "0402 JUMPER 0 OHM" RESC1005X40X25NL05T05 71.55,37.479 r0 top
R78 "0402 JUMPER 0 OHM" RESC1005X40X25NL05T05 71.55,36.479 r0 top
R79 "ERJ3EKF1002V" RESC1609X55X30LL15T15 68.025,30.55 r90 top
R80 "ERJ3EKF2701V" RESC1608X55X30LL15T15 72.525,30.55 r90 top
R81 "ERJ-2RKF4990X" FP-ERJ2RK-MFG 73.613,46.6 r0 bottom
R82 "0402 JUMPER 0 OHM" RESC1005X40X25NL05T05 74.175,33.225 r0 top
R83 "ERJ-2RKF4990X" FP-ERJ2RK-MFG 73.613,45.35 r0 bottom
R84 "ERJ-2RKF4990X" FP-ERJ2RK-MFG 71.613,43.6 r0 bottom
R85 "ERJ-2RKF4990X" FP-ERJ2RK-MFG 71.613,42.35 r0 bottom
R86 "ERJ-2RKF4990X" FP-ERJ2RK-MFG 73.613,40.6 r0 bottom
R87 "ERJ3EKF1002V" RESC1609X55X30LL15T15 68.025,33.025 r270 top
R88 "ERJ3EKF2701V" RESC1608X55X30LL15T15 72.525,33.575 r270 top
R89 "ERJ-2RKF4990X" FP-ERJ2RK-MFG 73.613,39.35 r0 bottom
R90 "0402 JUMPER 0 OHM" RESC1005X40X25NL05T05 74.175,34.2 r0 top
R91 "ERJ-2RKF4990X" FP-ERJ2RK-MFG 71.613,37.6 r0 bottom
R92 "ERJ-2RKF4990X" FP-ERJ2RK-MFG 71.613,36.35 r0 bottom
R93 "ERJ3EKF5103V" RESC1608X55X30LL15T15 63.471,39.454 r180 top
R95 "ERJ3EKF1002V" RESC1609X55X30LL15T15 78.483,43 r90 bottom
R96 "ERJ-3EKF1003V" RESC1608X55X30ML15T15 61.021,39.454 r0 top
R97 "0402 JUMPER 0 OHM" RESC1005X40X25NL05T05 21.975,68.7 r270 top
R98 "0402 JUMPER 0 OHM" RESC1005X40X25NL05T05 20.975,68.7 r270 top
R99 "0402 JUMPER 0 OHM" RESC1005X40X25NL05T05 28.6,68.775 r270 top
R100 "0402 JUMPER 0 OHM" RESC1005X40X25NL05T05 27.6,68.775 r270 top
R101 "0402 JUMPER 0 OHM" RESC1005X40X25NL05T05 8.8,82.003 r180 top
R102 "ERJ-3EKF33R0V" FP-ERJ3EK-MFG 34.825,89.7 r0 top
R103 "0402 JUMPER 0 OHM" RESC1005X40X25NL05T05 8.8,83.003 r180 top
R104 "0402 JUMPER 0 OHM" RESC1005X40X25NL05T05 8.8,86.25 r180 top
R105 "0402 JUMPER 0 OHM" RESC1005X40X25NL05T05 8.8,87.25 r180 top
R106 "0402 JUMPER 0 OHM" RESC1005X40X25NL05T05 -14.125,73.2 r180 top
R107 "ERJ-3EKF1200V" RESC1609X55X30ML15T15 -13.325,69.428 r90 bottom
R108 "0402 JUMPER 0 OHM" RESC1005X40X25NL05T05 34.55,87.7 r270 bottom
R109 "0402 JUMPER 0 OHM" RESC1005X40X25NL05T05 35.85,87.7 r270 bottom
R111 "0402 JUMPER 0 OHM" RESC1005X40X25NL05T05 10.125,99.542 r90 top
R112 "0402 JUMPER 0 OHM" RESC1005X40X25NL05T05 35.45,84.745 r0 top